# Altium PCB Shuttler_AMC.PcbDoc (part 5 of 12) (continued)
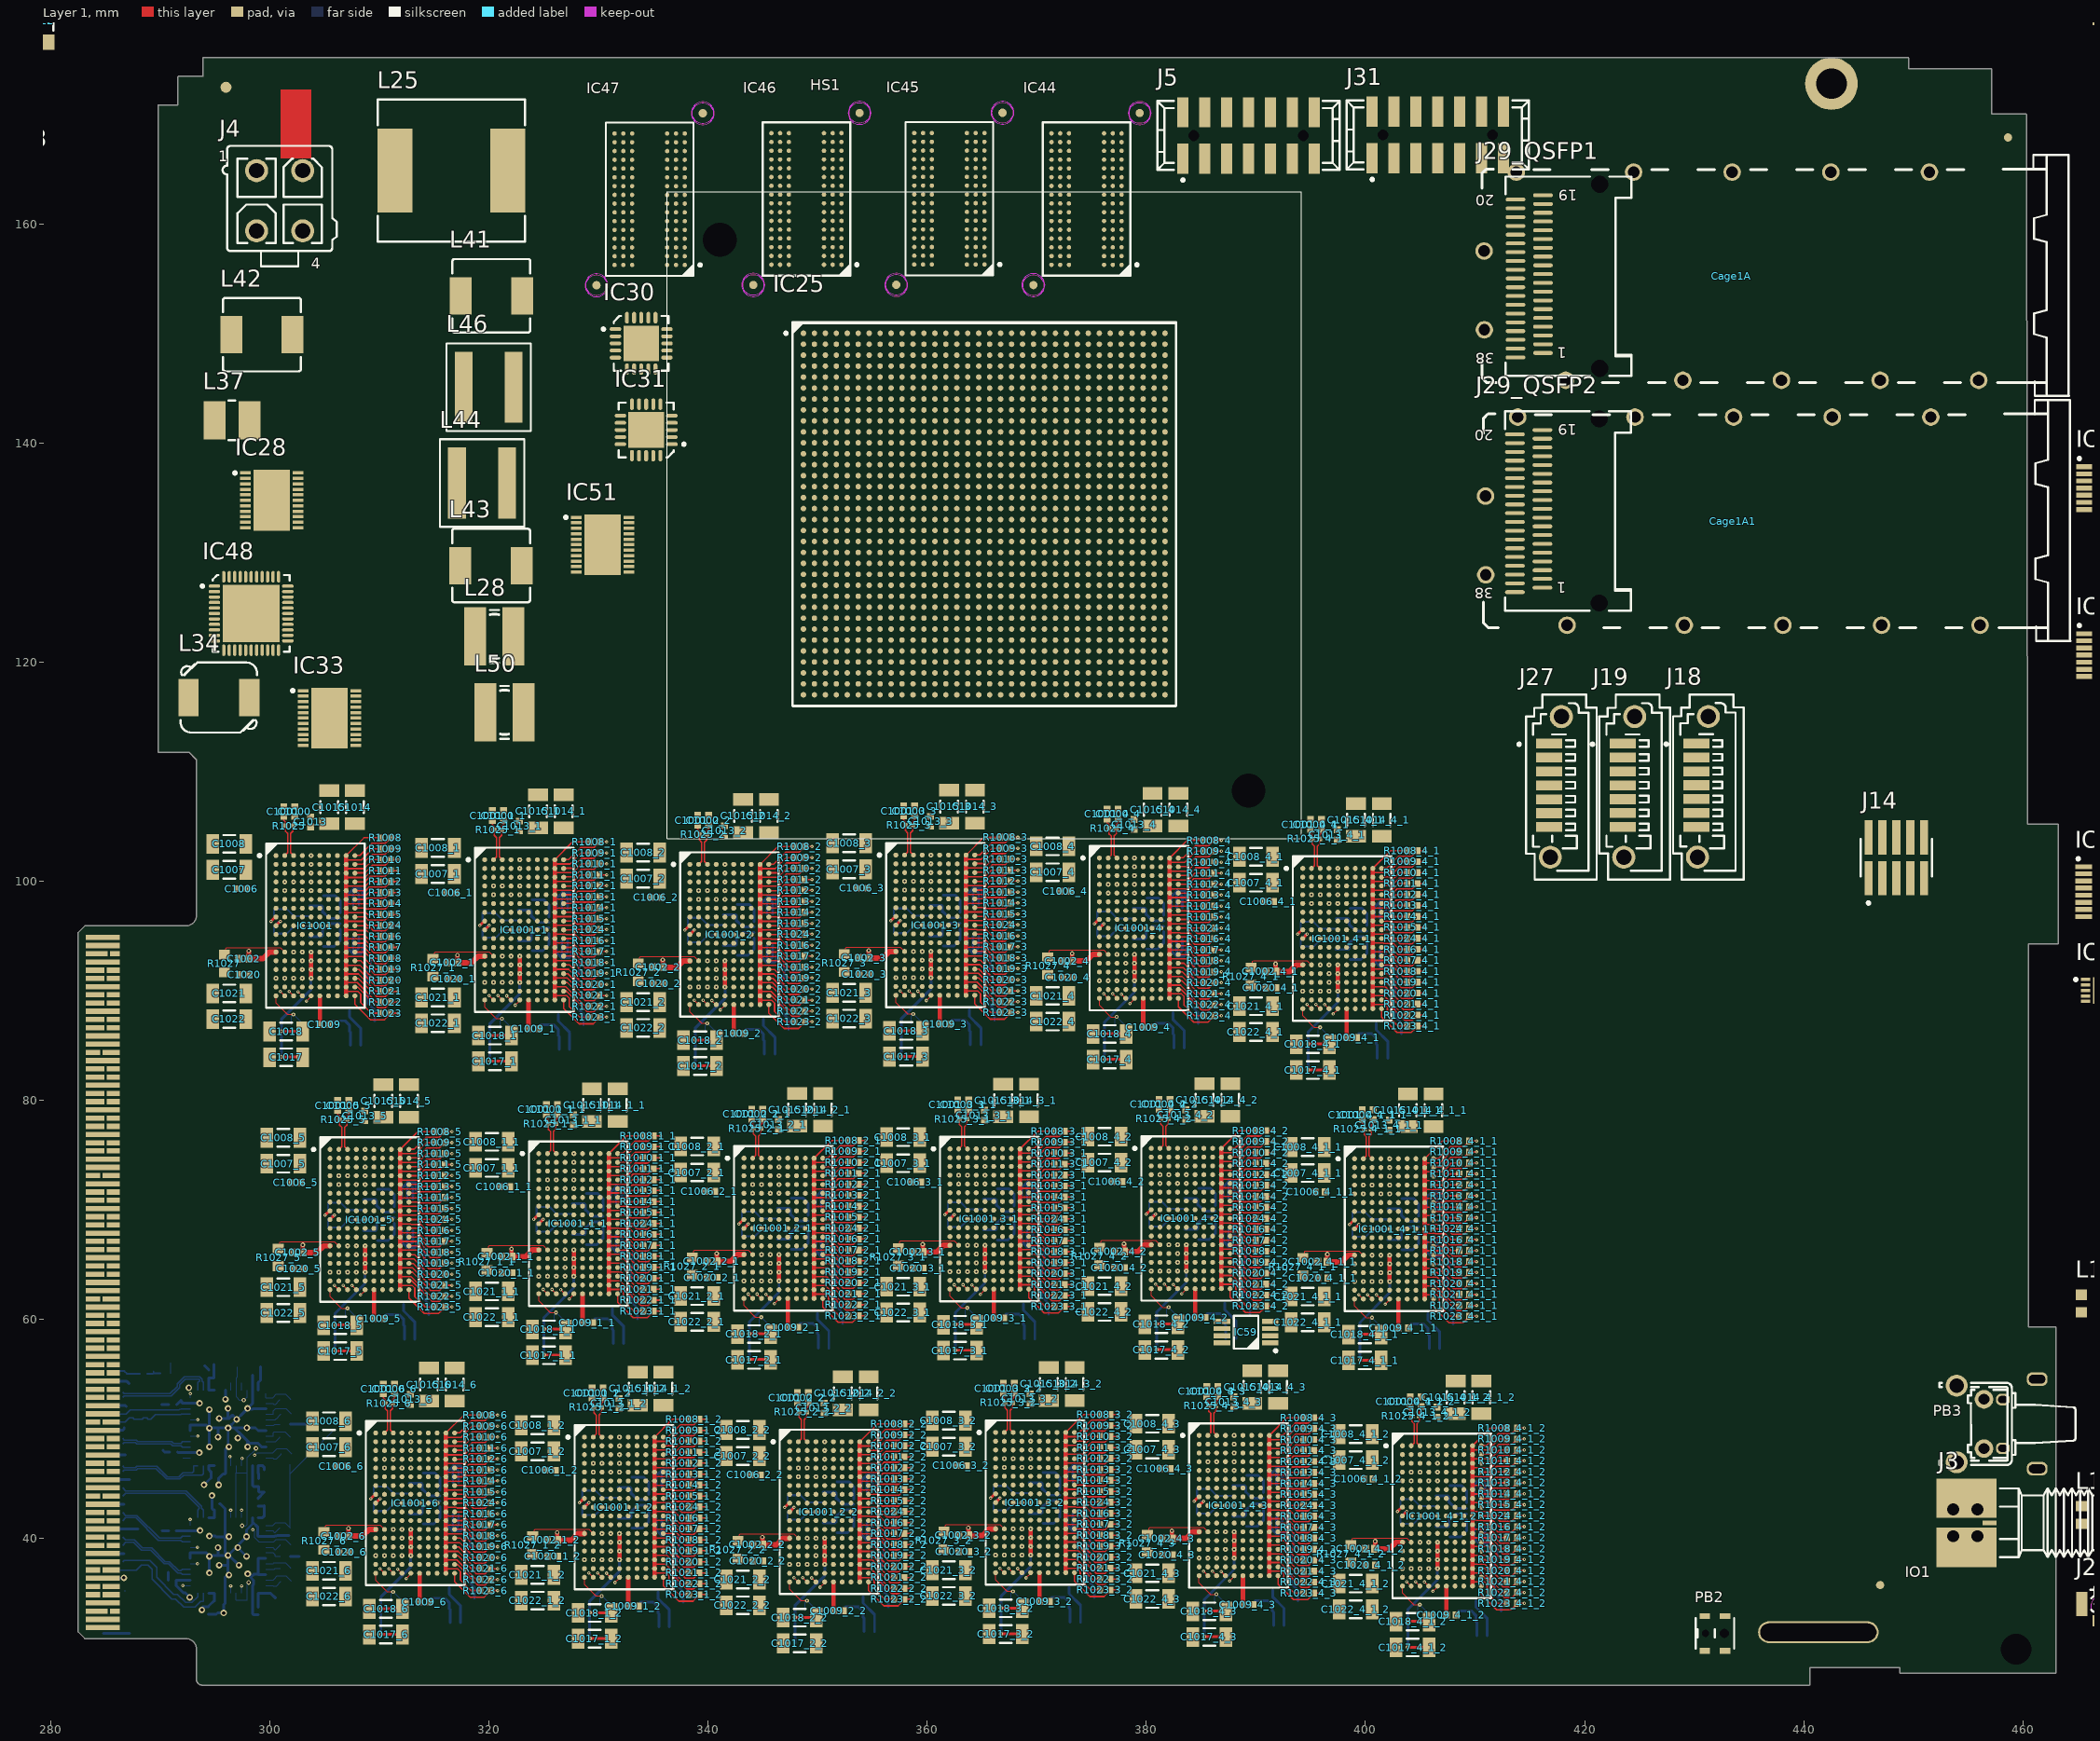
[diagram p0: Layer 1 view]
## Footprints (in the part's own frame and the unit in brackets; to place one, negate y for a bottom-side part, rotate by r counter-clockwise, add the part's x,y. Pads: shape width x height; smd on the part's side, far side on the other; paste and mask are expansions set on the pad) (continued)
  rect 5.2x5.2 smd: 45(0,0)
  silkscreen extent -4.57,-3.5 3.5,3.5, body extent -3.5,-3.5 3.5,3.5, height 0.8
QFN50P700X700X90-45N-S295 [mm] "QFN, 0.50mm Pitch, Square; 44 pin, 7.00mm L X 7.00mm W X 0.90mm H Body (w/Thermal Tab 2.95mm X 2.95mm), IPC Medium Density"
  oval 0.85x0.3 smd: 1(-3.45,2.5) 2(-3.45,2) 3(-3.45,1.5) 4(-3.45,1) 5(-3.45,0.5) 6(-3.45,0) 7(-3.45,-0.5) 8(-3.45,-1) 9(-3.45,-1.5) 10(-3.45,-2) 11(-3.45,-2.5) 23(3.45,-2.5) 24(3.45,-2) 25(3.45,-1.5) 26(3.45,-1) 27(3.45,-0.5) 28(3.45,0) 29(3.45,0.5) 30(3.45,1) 31(3.45,1.5) 32(3.45,2) 33(3.45,2.5)
  oval 0.3x0.85 smd: 12(-2.5,-3.45) 13(-2,-3.45) 14(-1.5,-3.45) 15(-1,-3.45) 16(-0.5,-3.45) 17(0,-3.45) 18(0.5,-3.45) 19(1,-3.45) 20(1.5,-3.45) 21(2,-3.45) 22(2.5,-3.45) 34(2.5,3.45) 35(2,3.45) 36(1.5,3.45) 37(1,3.45) 38(0.5,3.45) 39(0,3.45) 40(-0.5,3.45) 41(-1,3.45) 42(-1.5,3.45) 43(-2,3.45) 44(-2.5,3.45)
  rect 2.95x2.95 smd: 45(0,0)
  silkscreen extent -4.57,-3.5 3.5,3.5, body extent -3.5,-3.5 3.5,3.5, height 0.9
QFN50P700X700X100-49N-S420 [mm]
  oval 0.9x0.3 smd paste+0.025 mask+0.025: 1(-3.45,2.75) 2(-3.45,2.25) 3(-3.45,1.75) 4(-3.45,1.25) 5(-3.45,0.75) 6(-3.45,0.25) 7(-3.45,-0.25) 8(-3.45,-0.75) 9(-3.45,-1.25) 10(-3.45,-1.75) 11(-3.45,-2.25) 12(-3.45,-2.75) 25(3.45,-2.75) 26(3.45,-2.25) 27(3.45,-1.75) 28(3.45,-1.25) 29(3.45,-0.75) 30(3.45,-0.25) 31(3.45,0.25) 32(3.45,0.75) 33(3.45,1.25) 34(3.45,1.75) 35(3.45,2.25) 36(3.45,2.75)
  oval 0.3x0.9 smd paste+0.025 mask+0.025: 13(-2.75,-3.45) 14(-2.25,-3.45) 15(-1.75,-3.45) 16(-1.25,-3.45) 17(-0.75,-3.45) 18(-0.25,-3.45) 19(0.25,-3.45) 20(0.75,-3.45) 21(1.25,-3.45) 22(1.75,-3.45) 23(2.25,-3.45) 24(2.75,-3.45) 37(2.75,3.45) 38(2.25,3.45) 39(1.75,3.45) 40(1.25,3.45) 41(0.75,3.45) 42(0.25,3.45) 43(-0.25,3.45) 44(-0.75,3.45) 45(-1.25,3.45) 46(-1.75,3.45) 47(-2.25,3.45) 48(-2.75,3.45)
  rect 4.2x4.2 smd paste+0.025 mask+0.025: 49(0,0)
  silkscreen extent -4.63,-3.5 3.5,3.5
QFN50P800X800X100-57N-S437 [mm] "QFN, 0.50mm Pitch, Square; 56 Pin, 8.00mm L X 8.00mm W X 1.00mm H Body (4.37mm X 4.37mm Thermal Tab), IPC Medium Density"
  oval 0.9x0.3 smd: 1(-3.95,3.25) 2(-3.95,2.75) 3(-3.95,2.25) 4(-3.95,1.75) 5(-3.95,1.25) 6(-3.95,0.75) 7(-3.95,0.25) 8(-3.95,-0.25) 9(-3.95,-0.75) 10(-3.95,-1.25) 11(-3.95,-1.75) 12(-3.95,-2.25) 13(-3.95,-2.75) 14(-3.95,-3.25) 29(3.95,-3.25) 30(3.95,-2.75) 31(3.95,-2.25) 32(3.95,-1.75) 33(3.95,-1.25) 34(3.95,-0.75) 35(3.95,-0.25) 36(3.95,0.25) 37(3.95,0.75) 38(3.95,1.25) 39(3.95,1.75) 40(3.95,2.25) 41(3.95,2.75) 42(3.95,3.25)
  oval 0.3x0.9 smd: 15(-3.25,-3.95) 16(-2.75,-3.95) 17(-2.25,-3.95) 18(-1.75,-3.95) 19(-1.25,-3.95) 20(-0.75,-3.95) 21(-0.25,-3.95) 22(0.25,-3.95) 23(0.75,-3.95) 24(1.25,-3.95) 25(1.75,-3.95) 26(2.25,-3.95) 27(2.75,-3.95) 28(3.25,-3.95) 43(3.25,3.95) 44(2.75,3.95) 45(2.25,3.95) 46(1.75,3.95) 47(1.25,3.95) 48(0.75,3.95) 49(0.25,3.95) 50(-0.25,3.95) 51(-0.75,3.95) 52(-1.25,3.95) 53(-1.75,3.95) 54(-2.25,3.95) 55(-2.75,3.95) 56(-3.25,3.95)
  rect 4.37x4.37 smd: 57(0,0)
  silkscreen extent -5.12,-4 4,4, body extent -4,-4 4,4, height 0.8
QFN50P800X800X100-57N-S620 [mm] "QFN, 0.50mm Pitch, Square; 56 Pin, 8.00mm L X 8.00mm W X 1.00mm H body (6.1mm X 6.1mm Thermal tab), IPC Medium Density"
  oval 0.85x0.3 smd: 1(-3.95,3.25) 2(-3.95,2.75) 3(-3.95,2.25) 4(-3.95,1.75) 5(-3.95,1.25) 6(-3.95,0.75) 7(-3.95,0.25) 8(-3.95,-0.25) 9(-3.95,-0.75) 10(-3.95,-1.25) 11(-3.95,-1.75) 12(-3.95,-2.25) 13(-3.95,-2.75) 14(-3.95,-3.25) 29(3.95,-3.25) 30(3.95,-2.75) 31(3.95,-2.25) 32(3.95,-1.75) 33(3.95,-1.25) 34(3.95,-0.75) 35(3.95,-0.25) 36(3.95,0.25) 37(3.95,0.75) 38(3.95,1.25) 39(3.95,1.75) 40(3.95,2.25) 41(3.95,2.75) 42(3.95,3.25)
  oval 0.3x0.85 smd: 15(-3.25,-3.95) 16(-2.75,-3.95) 17(-2.25,-3.95) 18(-1.75,-3.95) 19(-1.25,-3.95) 20(-0.75,-3.95) 21(-0.25,-3.95) 22(0.25,-3.95) 23(0.75,-3.95) 24(1.25,-3.95) 25(1.75,-3.95) 26(2.25,-3.95) 27(2.75,-3.95) 28(3.25,-3.95) 43(3.25,3.95) 44(2.75,3.95) 45(2.25,3.95) 46(1.75,3.95) 47(1.25,3.95) 48(0.75,3.95) 49(0.25,3.95) 50(-0.25,3.95) 51(-0.75,3.95) 52(-1.25,3.95) 53(-1.75,3.95) 54(-2.25,3.95) 55(-2.75,3.95) 56(-3.25,3.95)
  rect 6.2x6.2 smd: 57(0,0)
  silkscreen extent -5.08,-4 4,4, body extent -4,-4 4,4, height 1
QFN65P500X500X100-21N-S325 [mm] "QFN, 0.65mm pitch,square; 20 pin, 5mm X 5mm X 1mm H body (w/thermal tab 3.25 X 3.25mm),  IPC Medium Density"
  oval 1.05x0.35 smd: 1(-2.35,1.3) 2(-2.35,0.65) 3(-2.35,0) 4(-2.35,-0.65) 5(-2.35,-1.3) 11(2.35,-1.3) 12(2.35,-0.65) 13(2.35,0) 14(2.35,0.65) 15(2.35,1.3)
  oval 0.35x1.05 smd: 6(-1.3,-2.35) 7(-0.65,-2.35) 8(0,-2.35) 9(0.65,-2.35) 10(1.3,-2.35) 16(1.3,2.35) 17(0.65,2.35) 18(0,2.35) 19(-0.65,2.35) 20(-1.3,2.35)
  rect 3.25x3.25 smd: 21(0,0)
  silkscreen extent -3.57,-2.5 2.5,2.5, body extent -2.57,-2.57 2.58,2.58, height 1
RESC0603X28N [mm] "Chip Resistor, EIA 0201, Metric 0603, Body 0.6 x 0.3mm, IPC Medium Density"
  rect 0.46x0.42 smd: 1(-0.33,0) 2(0.33,0)
  body extent -0.32,-0.17 0.33,0.18, height 0.28
RESC1005X35N [mm] "Chip Resistor, EIA 0402, Metric 1005, Body 1.0x0.5mm, IPC Medium Density"
  rect 0.58x0.62 smd: 1(-0.47,0) 2(0.47,0)
  body extent -0.52,-0.27 0.53,0.28, height 0.35
RESC1005X40N#1 [mm]
  rect 0.58x0.62 smd paste+0 mask+0.01: 1(-0.47,0) 2(0.47,0)
RESC1005X40N#2 [mm] "Chip Resistor, EIA 0402, Metric 1005, Body 1.0x0.5mm, IPC Medium Density"
  rect 0.58x0.62 smd: 1(-0.47,0) 2(0.47,0)
  body extent -0.52,-0.27 0.53,0.28, height 0.4
RESC1608X55N [mm] "Chip Resistor, EIA 0603, Metric 1608, Body 1.6x0.8mm, IPC Medium Density"
  rect 0.9x1 smd: 1(-0.8,0) 2(0.8,0)
  body extent -0.87,-0.47 0.88,0.48, height 0.55
SAMTEC_FTS-105-02-F-DV [mm] "10 Contacts - Pitch 1.27mm - Dual Row, Vertical, Surface Mount Terminal Strip"
  rect 0.74x3.125 smd: 1(-2.54,-1.868) 2(-2.54,1.868) 3(-1.27,-1.868) 4(-1.27,1.868) 5(0,-1.868) 6(0,1.868) 7(1.27,-1.868) 8(1.27,1.868) 9(2.54,-1.868) 10(2.54,1.868)
  silkscreen extent -3.26,-4.25 3.26,1.71, body extent -3.17,-2.92 3.18,2.92, height 3.17
SOIC127P600X175-8N [mm] "SOIC 8, Pitch 1.27mm - Body 4x5mm, IPC Medium Density"
  rect 1.55x0.6 smd: 1(-2.7,1.905) 2(-2.7,0.635) 3(-2.7,-0.635) 4(-2.7,-1.905) 5(2.7,-1.905) 6(2.7,-0.635) 7(2.7,0.635) 8(2.7,1.905)
  silkscreen extent -2.52,-2.5 1.55,2.88, body extent -3.1,-2.5 3.1,2.5, height 1.75
SOIC127P1032X265-16N [mm] "SOIC, 1.27mm pitch; 16 pin, 7.50mm W X 10.4mm L X 2.65mm H body, IPC Medium Density"
  rect 2x0.6 smd: 1(-4.65,4.445) 2(-4.65,3.175) 3(-4.65,1.905) 4(-4.65,0.635) 5(-4.65,-0.635) 6(-4.65,-1.905) 7(-4.65,-3.175) 8(-4.65,-4.445) 9(4.65,-4.445) 10(4.65,-3.175) 11(4.65,-1.905) 12(4.65,-0.635) 13(4.65,0.635) 14(4.65,1.905) 15(4.65,3.175) 16(4.65,4.445)
  silkscreen extent -5.52,-5.15 3.32,5.37, body extent -5.18,-5.25 5.18,5.25, height 1.68
SON50P200X300X80-11N-R94X250 [mm] "SON, 10-Leads, Body 2x3mm, Pitch 0.5mm, Thermal Pad 0.94x2.5mm, IPC Medium Density"
  rect 0.7x0.3 smd: 1(-1.05,1) 2(-1.05,0.5) 3(-1.05,0) 4(-1.05,-0.5) 5(-1.05,-1) 6(1.05,-1) 7(1.05,-0.5) 8(1.05,0) 9(1.05,0.5) 10(1.05,1)
  rect 0.94x2.5 smd: 11(0,0)
  silkscreen extent -1.5,-1.55 1.05,1.6, body extent -1.05,-1.55 1.05,1.55, height 0.8
SON50P300X300X80-9N-R175X248 [mm] "SON, (DFN) 0.50mm,pitch; 8 pin,3.00mm W X 3.00mm L X 0.80mm H body (w/thermal tab 1.75 X2.48mm), IPC Medium Density"
  rect 0.8x0.3 smd: 1(-1.5,0.75) 2(-1.5,0.25) 3(-1.5,-0.25) 4(-1.5,-0.75) 5(1.5,-0.75) 6(1.5,-0.25) 7(1.5,0.25) 8(1.5,0.75)
  rect 1.75x2.45 smd: 9(0,0)
  silkscreen extent -2.52,-1.5 1.5,1.5, body extent -1.55,-1.55 1.55,1.55, height 0.8
SON50P300X300X80-11N-R175X248 [mm] "SON, 0.50mm Pitch, 10-pin, 3.00mm W  X 3.00mm L X 0.80mm Height, (w/thermal tab 1.75 X 2.48 mm), IPC Medium Density"
  rect 0.8x0.3 smd: 1(-1.5,1) 2(-1.5,0.5) 3(-1.5,0) 4(-1.5,-0.5) 5(-1.5,-1) 6(1.5,-1) 7(1.5,-0.5) 8(1.5,0) 9(1.5,0.5) 10(1.5,1)
  rect 1.75x2.48 smd: 11(0,0)
  silkscreen extent -2.52,0.88 -2.27,1.12, body extent -1.5,-1.5 1.5,1.5, height 0.8
SON50P400X400X80-13N-R275X350 [mm] "SON, 0.50mm Pitch; 14 Pin 4.00mm W X 4.00mm L X 0.80mm H body (w/thermal tab 2.75 X 3.5 mm), IPC Medium Density"
  rect 0.8x0.3 smd: 1(-2,1.25) 2(-2,0.75) 3(-2,0.25) 4(-2,-0.25) 5(-2,-0.75) 6(-2,-1.25) 7(2,-1.25) 8(2,-0.75) 9(2,-0.25) 10(2,0.25) 11(2,0.75) 12(2,1.25)
  rect 2.75x3.5 smd: 13(0,0)
  silkscreen extent -3.02,-2 2,2, body extent -2.05,-2.05 2.05,2.05, height 0.8
SON50P500X600X150-23N-R334X557 [mm] "SON, 0.50mm Pitch; 22 Pin, 5.00mm W X 6.00mm L X 1.50mm H Body (w/Thermal Tab 3.34 X 5.57mm), IPC Medium Density"
  rect 0.95x0.3 smd: 1(-2.4,2.5) 2(-2.4,2) 3(-2.4,1.5) 4(-2.4,1) 5(-2.4,0.5) 6(-2.4,0) 7(-2.4,-0.5) 8(-2.4,-1) 9(-2.4,-1.5) 10(-2.4,-2) 11(-2.4,-2.5) 12(2.4,-2.5) 13(2.4,-2) 14(2.4,-1.5) 15(2.4,-1) 16(2.4,-0.5) 17(2.4,0) 18(2.4,0.5) 19(2.4,1) 20(2.4,1.5) 21(2.4,2) 22(2.4,2.5)
  rect 3.3x5.55 smd: 23(0,0)
  silkscreen extent -3.47,2.38 -3.22,2.62, body extent -2.5,-3 2.5,3, height 1.5
SON95P300X300X80-7N-R160X240 [mm] "SON, 0.95mm Pitch; 6 Pin, 3.00mm W X 3mm L X 0.80mm H body (w/Thermal Tab 1.6mm x 2.4mm)"
  rect 0.75x0.45 smd: 1(-1.5,0.95) 2(-1.5,0) 3(-1.5,-0.95) 4(1.5,-0.95) 5(1.5,0) 6(1.5,0.95)
  rect 1.6x2.4 smd: 7(0,0)
  silkscreen extent -2.47,0.83 -2.22,1.07, body extent -1.55,-1.55 1.55,1.55, height 0.8
SOP65P490X109-8N [mm] "SOP, 0.65mm pitch; 8 pin,3.00mm W X 3.00mm L X 1.09mm H bodyI, PC Medium Density"
  rect 1.5x0.45 smd: 1(-2.2,0.975) 2(-2.2,0.325) 3(-2.2,-0.325) 4(-2.2,-0.975) 5(2.2,-0.975) 6(2.2,-0.325) 7(2.2,0.325) 8(2.2,0.975)
  silkscreen extent -2.82,-1.5 1.12,1.82, body extent -2.45,-1.55 2.45,1.55, height 1.09
SOP65P490X110-8N [mm] "SOP, 0.65mm pitch; 8 pin, 3.00mm W X 3.00mm L X 1.10mm H body, IPC Medium Density"
  rect 1.5x0.45 smd: 1(-2.2,0.975) 2(-2.2,0.325) 3(-2.2,-0.325) 4(-2.2,-0.975) 5(2.2,-0.975) 6(2.2,-0.325) 7(2.2,0.325) 8(2.2,0.975)
  silkscreen extent -2.83,-1.5 1.12,1.82, body extent -2.45,-1.55 2.45,1.55, height 1.1
SOP65P640X110-14N [mm] "SOP, 14-Leads, Body 4.4x5mm (max), Pitch 0.65mm, IPC Medium Density"
  rect 1.45x0.45 smd: 1(-2.9,1.95) 2(-2.9,1.3) 3(-2.9,0.65) 4(-2.9,0) 5(-2.9,-0.65) 6(-2.9,-1.3) 7(-2.9,-1.95) 8(2.9,-1.95) 9(2.9,-1.3) 10(2.9,-0.65) 11(2.9,0) 12(2.9,0.65) 13(2.9,1.3) 14(2.9,1.95)
  silkscreen extent -3.47,-2.5 1.85,2.82, body extent -3.12,-2.55 3.12,2.55, height 1.1
SOP65P640X110-16N [mm] "SOP, 0.65mm pitch; 16 pin, 4.40mm W X 5.00mm L X 1.10mm H body IPC Medium Density"
  rect 1.5x0.45 smd: 1(-2.95,2.275) 2(-2.95,1.625) 3(-2.95,0.975) 4(-2.95,0.325) 5(-2.95,-0.325) 6(-2.95,-0.975) 7(-2.95,-1.625) 8(-2.95,-2.275) 9(2.95,-2.275) 10(2.95,-1.625) 11(2.95,-0.975) 12(2.95,-0.325) 13(2.95,0.325) 14(2.95,0.975) 15(2.95,1.625) 16(2.95,2.275)
  silkscreen extent -3.57,-2.5 1.88,3.12, body extent -3.12,-2.55 3.12,2.55, height 1.1
SOP65P640X120-8N [mm] "SOP, 0.65mm pitch; 8 pin, 4.40mm W X 3.00mm L X 1.20mm H body, IPC Medium Density"
  rect 1.5x0.45 smd: 1(-2.9,0.975) 2(-2.9,0.325) 3(-2.9,-0.325) 4(-2.9,-0.975) 5(2.9,-0.975) 6(2.9,-0.325) 7(2.9,0.325) 8(2.9,0.975)
  silkscreen extent -3.52,-1.5 1.83,1.82, body extent -3.2,-1.55 3.2,1.55, height 1.2
SOP65P640X120-16N [mm] "SOP, 0.65mm pitch; 16 pin, 4.40mm W X 5.00mm L X 1.20mm H body IPC Medium Density"
  rect 1.45x0.45 smd: 1(-2.95,2.275) 2(-2.95,1.625) 3(-2.95,0.975) 4(-2.95,0.325) 5(-2.95,-0.325) 6(-2.95,-0.975) 7(-2.95,-1.625) 8(-2.95,-2.275) 9(2.95,-2.275) 10(2.95,-1.625) 11(2.95,-0.975) 12(2.95,-0.325) 13(2.95,0.325) 14(2.95,0.975) 15(2.95,1.625) 16(2.95,2.275)
  silkscreen extent -3.07,-2.55 1.85,3.17, body extent -3.12,-2.55 3.12,2.55, height 1.2
SOP65P640X120-20N [mm] "SOP, 20-Leads, Body 6.5x4.4mm, Pitch 0.65mm, IPC Medium Density"
  rect 1.5x0.45 smd: 1(-2.9,2.925) 2(-2.9,2.275) 3(-2.9,1.625) 4(-2.9,0.975) 5(-2.9,0.325) 6(-2.9,-0.325) 7(-2.9,-0.975) 8(-2.9,-1.625) 9(-2.9,-2.275) 10(-2.9,-2.925) 11(2.9,-2.925) 12(2.9,-2.275) 13(2.9,-1.625) 14(2.9,-0.975) 15(2.9,-0.325) 16(2.9,0.325) 17(2.9,0.975) 18(2.9,1.625) 19(2.9,2.275) 20(2.9,2.925)
  silkscreen extent -3.52,-3.25 1.83,3.77, body extent -3.12,-3.3 3.12,3.3, height 1.2
SOT95P230X110-3N [mm] "SOT23, 3 pin, Pitch 0.95mm - 1.3mm W X 2.9mm L X 1.1mm H, IPC Medium Density"
  rect 1x0.6 smd: 1(-1.15,0.95) 2(-1.15,-0.95) 3(1.15,0)
  silkscreen extent -1.52,-1.45 0.33,1.87, body extent -1.08,-1.5 1.25,1.5, height 1.1
SOT95P240X110-3N [mm] "SOT23 3-Leads, Pitch 0.95mm, Body 1.3x2.9mm, IPC Medium Density"
  rect 1.05x0.65 smd: 1(-1.15,0.95) 2(-1.15,-0.95) 3(1.15,0)
  silkscreen extent -1.52,-1.45 0.3,1.92, body extent -1.25,-1.5 1.25,1.5, height 1.1
SOT95P280X145-5N [mm] "SOT, 0.95mm pitch; 5 pin, 1.60mm W X 2.90mm L X 1.45mm H body, IPC Medium Density"
  rect 1.1x0.6 smd: 1(-1.3,0.95) 2(-1.3,0) 3(-1.3,-0.95) 4(1.3,-0.95) 5(1.3,0.95)
  silkscreen extent -1.72,-1.45 0.43,1.87, body extent -1.4,-1.5 1.4,1.5, height 1.45
SOT95P280X145-6N [mm] "SOT23, 6-Leads, Body 1.6x3.0mm, Pitch 0.95mm, IPC Medium Density"
  rect 1.05x0.6 smd: 1(-1.35,0.95) 2(-1.35,0) 3(-1.35,-0.95) 4(1.35,-0.95) 5(1.35,0) 6(1.35,0.95)
  silkscreen extent -1.77,-1.55 0.45,1.92, body extent -1.4,-1.5 1.4,1.5, height 1.45
SOT190P230X110-4N [mm] "SOT143, SOT, 1.90mm Pitch; 4 Pin, 1.30mm W X 2.90mm L X 1.10mm H body, IPC Medium Density"
  rect 1x1 smd: 1(-1.15,0.75)
  rect 1x0.6 smd: 2(-1.15,-0.95) 3(1.15,-0.95) 4(1.15,0.95)
  silkscreen extent -1.53,-1.45 0.33,1.87, body extent -1.25,-1.5 1.25,1.5, height 1.1
SW_C&K_HDT0001 [mm] "Micro Mini Surface Mount Detect Switches, HDT Serie"
  rect 0.95x0.55 smd: 1(-0.925,1.575) 2(0.925,1.575) 3(-0.925,-1.575) 4(0.925,-1.575)
  round 0.5 hole 0.85 unplated mask+0.175: 5(-0.85,0)
  round 0.5 hole 0.65 unplated mask+0.075: 10(0.85,0)
  silkscreen extent -1.75,-1.4 1.75,1.4, body extent -1.75,-1.65 1.75,1.65, height 3.35
"TEXAS_DRC (S-PVSON-N10)" [mm] "SON, TEXAS DRC (S-PVSON-N10), 0.50mm Pitch, 10-pin, 3.00mm W  X 3.00mm L X 1.00mm Height, (w/thermal tab 1.65 X 2.40 mm)"
  rect 0.85x0.3 smd: 1(-1.5,1) 2(-1.5,0.5) 3(-1.5,0) 4(-1.5,-0.5) 5(-1.5,-1) 6(1.5,-1) 7(1.5,-0.5) 8(1.5,0) 9(1.5,0.5) 10(1.5,1)
  rect 0.28x0.7 smd: 11(-0.25,-1.55) 11(-0.25,1.55) 11(0.25,-1.55) 11(0.25,1.55)
  rect 1.65x2.4 smd: 11(0,0)
  silkscreen extent -2.52,0.88 -2.27,1.12, body extent -1.57,-1.57 1.58,1.58, height 1
"TEXAS_RUT (R-PUQFN-N12)" [mm] "SON, TEXAS RUT (R-PUQFN-N12), 0.50mm Pitch, 12-pin, 1.70mm W  X 2.00mm L X 0.55mm Height"
  rect 0.6x0.2 smd: 1(-0.65,0.8) 2(-0.65,0.4) 3(-0.65,0) 4(-0.65,-0.4) 5(-0.65,-0.8) 7(0.65,-0.8) 8(0.65,-0.4) 9(0.65,0) 10(0.65,0.4) 11(0.65,0.8)
  rect 0.15x0.2 smd: 1(-0.425,1)
  rect 0.2x0.6 smd: 6(0,-0.8) 12(0,0.8)
  silkscreen extent -1.55,0.65 -1.3,0.9, body extent -0.9,-1.05 0.9,1.05, height 0.55
TYCO_1888781-1 [mm] "SFP+ 1x4 Press Fit Cage"
  round 1.6 hole 1.05: 6(-22.59,9.5) 7(-13.59,9.5) 8(-4.59,9.5) 9(4.41,9.5) 10(15.11,9.5) 11(22.53,4.902) 12(22.555,-2.286) 13(-18.09,-9.5) 14(-9.09,-9.5) 15(-0.09,-9.5) 16(8.91,-9.5) 17(19.61,-9.5)
  silkscreen extent -30.85,-11.05 22.73,10.92, body extent -30.8,-11.05 22.7,10.95, height 12.15
TYCO_2110819-1 [mm] "Surface Mount Enhanced EVERCLEAR Right Angle QSFP+ Host Connector"
  rrect100% 1.8x0.35 smd: 1(-1.255,7) 2(-1.255,6.2) 3(-1.255,5.4) 4(-1.255,4.6) 5(-1.255,3.8) 6(-1.255,3) 7(-1.255,2.2) 8(-1.255,1.4) 9(-1.255,0.6) 10(-1.255,-0.2) 11(-1.255,-1) 12(-1.255,-1.8) 13(-1.255,-2.6) 14(-1.255,-3.4) 15(-1.255,-4.2) 16(-1.255,-5) 17(-1.255,-5.8) 18(-1.255,-6.6) 19(-1.255,-7.4) 20(1.255,-7) 21(1.255,-6.2) 22(1.255,-5.4) 23(1.255,-4.6) 24(1.255,-3.8) 25(1.255,-3) 26(1.255,-2.2) 27(1.255,-1.4) 28(1.255,-0.6) 29(1.255,0.2) 30(1.255,1) 31(1.255,1.8) 32(1.255,2.6) 33(1.255,3.4) 34(1.255,4.2) 35(1.255,5) 36(1.255,5.8) 37(1.255,6.6) 38(1.255,7.4)
  round 0.5 hole 1.55 unplated mask+0.525: MTG1(-6.435,8.4) MTG2(-6.435,-8.4)
  silkscreen extent -9.34,-9.1 2.16,9.1, body extent -9.33,-9.11 2.17,9.11, height 5.37
XTAL_CONNOR_CS [mm] "4 Pins, 2.5x3.2mm, SMD Sealing Crystal, CS Serie"
  rect 1.2x1.4 smd: 1(-0.85,1.1) 2(-0.85,-1.1) 3(0.85,-1.1) 4(0.85,1.1)
  silkscreen extent -2.12,1.08 -1.88,1.32, body extent -1.25,-1.6 1.25,1.6, height 0.8
XTAL_TXC_7A [mm] "2 Pins, 3.2x5mm, SMD Glass Seam Sealing Crystal, 7A Serie"
  rect 1.7x2.4 smd: 1(-1.85,0) 2(1.85,0)
  silkscreen extent -2.3,-1.6 2.3,1.6, body extent -2.5,-1.6 2.5,1.6, height 1.2
XTAL_TXC_7M [mm] "4 Pins, 2.5x3.2mm, SMD Sealing Crystal, 7M Serie"
  rect 1.2x1.4 smd: 1(-0.85,1.1) 2(-0.85,-1.1) 3(0.85,-1.1) 4(0.85,1.1)
  silkscreen extent -2.12,1.08 -1.88,1.32, body extent -1.25,-1.6 1.25,1.6, height 0.8
XTAL_TXC_8Y [mm] "4 Pins, 2x1.6mm, SMD Seam Sealing Crystal, 8Y Serie"
  rect 0.8x0.9 smd: 1(-0.55,0.7) 2(-0.55,-0.7) 3(0.55,-0.7) 4(0.55,0.7)
  silkscreen extent -1.6,0.63 -1.35,0.87, body extent -0.85,-1.05 0.85,1.05, height 0.5

## Part data
C27 C28 C29 C30 C31 C32 C33 C34 C35 C36 C37 C38 C231: "Part Number = Capacitor - non polarized CAPC0603X33N"
C1000 C1000_1 C1000_1_1 C1000_1_2 C1000_2 C1000_2_1 C1000_2_2 C1000_3 C1000_3_1 C1000_3_2 C1000_4 C1000_4_1 C1000_4_1_1 C1000_4_1_2 C1000_4_2 C1000_4_3 C1000_5 C1000_6 C1001 C1001_1 C1001_1_1 C1001_1_2 C1001_2 C1001_2_1 C1001_2_2 C1001_3 C1001_3_1 C1001_3_2 C1001_4 C1001_4_1 C1001_4_1_1 C1001_4_1_2 C1001_4_2 C1001_4_3 C1001_5 C1001_6: library part CC0402_100PF_25V_1%_C0G_KEMET_HiQ-CBR, "Non-polarised capacitor", Case=0402, Manufacturer=KEMET, Manufacturer Part Number=CBR04C101F3GAC, Tolerance=±1%, Voltage=25V, Author="CERN DEM BC", ComponentHeight=0.55mm, Component Type=Standard, CreateDate=17.11.2017, HelpURL=\\cern.ch\dfs\Applications\Altium\Datasheets\CC0402_C0G_KEMET_HiQ-CBR.pdf, LatestRevisionDate=21.11.2017, Mounted=Yes, Part Description="High Q and low ESR, SMD Multilayer Chip Ceramic Capacitor, HiQ-CBR Series", Part Number=CC0402_100PF_25V_1%_C0G_KEMET_HiQ-CBR, Pin Count=2, Sense=No, SMD=Yes, Socket=No, Status="Not Recommended", TC=C0G/NP0
C1002 C1002_1 C1002_1_1 C1002_1_2 C1002_2 C1002_2_1 C1002_2_2 C1002_3 C1002_3_1 C1002_3_2 C1002_4 C1002_4_1 C1002_4_1_1 C1002_4_1_2 C1002_4_2 C1002_4_3 C1002_5 C1002_6: library part CC0402_10UF_6.3V_20%_X5R, "Non-polarised capacitor", Case=0402, Manufacturer=GENERIC, Manufacturer1 ComponentHeight=0.70mm, Manufacturer1 Example=TDK, Manufacturer1 Part Number=C1005X5R0J106M050BC, Tolerance=±10%, Voltage=6.3V, Author="CERN DEM JLC", Component Type=Standard, CreateDate=07.01.2015, HelpURL=\\cern.ch\dfs\Applications\Altium\Datasheets\CC0402_X5R_TDK_C.pdf, LatestRevisionDate=07.01.2015, Manufacturer Part Number=CC0402_10UF_6.3V_20%_X5R, Mounted=Yes, Part Description="SMD Multilayer Chip Ceramic Capacitor", Part Number=CC0402_10UF_6.3V_20%_X5R, Pin Count=2, Sense=No, SMD=Yes, Socket=No, Status=Preferred, TC=X5R
C1004 C1004_1 C1004_1_1 C1004_1_2 C1004_2 C1004_2_1 C1004_2_2 C1004_3 C1004_3_1 C1004_3_2 C1004_4 C1004_4_1 C1004_4_1_1 C1004_4_1_2 C1004_4_2 C1004_4_3 C1004_5 C1004_6 C1005 C1005_1 C1005_1_1 C1005_1_2 C1005_2 C1005_2_1 C1005_2_2 C1005_3 C1005_3_1 C1005_3_2 C1005_4 C1005_4_1 C1005_4_1_1 C1005_4_1_2 C1005_4_2 C1005_4_3 C1005_5 C1005_6 C1006 C1006_1 C1006_1_1 C1006_1_2 C1006_2 C1006_2_1 C1006_2_2 C1006_3 C1006_3_1 C1006_3_2 C1006_4 C1006_4_1 C1006_4_1_1 C1006_4_1_2 C1006_4_2 C1006_4_3 C1006_5 C1006_6 C1009 C1009_1 C1009_1_1 C1009_1_2 C1009_2 C1009_2_1 C1009_2_2 C1009_3 C1009_3_1 C1009_3_2 C1009_4 C1009_4_1 C1009_4_1_1 C1009_4_1_2 C1009_4_2 C1009_4_3 C1009_5 C1009_6 C1011 C1011_1 C1011_1_1 C1011_1_2 C1011_2 C1011_2_1 C1011_2_2 C1011_3 C1011_3_1 C1011_3_2 C1011_4 C1011_4_1 C1011_4_1_1 C1011_4_1_2 C1011_4_2 C1011_4_3 C1011_5 C1011_6 C1012 C1012_1 C1012_1_1 C1012_1_2 C1012_2 C1012_2_1 C1012_2_2 C1012_3 C1012_3_1 C1012_3_2 C1012_4 C1012_4_1 C1012_4_1_1 C1012_4_1_2 C1012_4_2 C1012_4_3 C1012_5 C1012_6 C1013 C1013_1 C1013_1_1 C1013_1_2 C1013_2 C1013_2_1 C1013_2_2 C1013_3 C1013_3_1 C1013_3_2 C1013_4 C1013_4_1 C1013_4_1_1 C1013_4_1_2 C1013_4_2 C1013_4_3 C1013_5 C1013_6 C1016 C1016_1 C1016_1_1 C1016_1_2 C1016_2 C1016_2_1 C1016_2_2 C1016_3 C1016_3_1 C1016_3_2 C1016_4 C1016_4_1 C1016_4_1_1 C1016_4_1_2 C1016_4_2 C1016_4_3 C1016_5 C1016_6 C1019 C1019_1 C1019_1_1 C1019_1_2 C1019_2 C1019_2_1 C1019_2_2 C1019_3 C1019_3_1 C1019_3_2 C1019_4 C1019_4_1 C1019_4_1_1 C1019_4_1_2 C1019_4_2 C1019_4_3 C1019_5 C1019_6 C1020 C1020_1 C1020_1_1 C1020_1_2 C1020_2 C1020_2_1 C1020_2_2 C1020_3 C1020_3_1 C1020_3_2 C1020_4 C1020_4_1 C1020_4_1_1 C1020_4_1_2 C1020_4_2 C1020_4_3 C1020_5 C1020_6: library part CC0402_2.2UF_6.3V_10%_X5R, "Non-polarised capacitor", Case=0402, Manufacturer=GENERIC, Manufacturer1 ComponentHeight=0.55mm, Manufacturer1 Example=TDK, Manufacturer1 Part Number=C1005X5R0J225K050BC, Tolerance=±10%, Voltage=6.3V, Author="CERN DEM JMW", Component Type=Standard, CreateDate=22.09.2015, HelpURL=\\cern.ch\dfs\Applications\Altium\Datasheets\CC0402_X5R_TDK_C.pdf, LatestRevisionDate=22.09.2015, Manufacturer Part Number=CC0402_2.2UF_6.3V_10%_X5R, Mounted=Yes, Part Description="SMD Multilayer Chip Ceramic Capacitor", Part Number=CC0402_2.2UF_6.3V_10%_X5R, Pin Count=2, Sense=No, SMD=Yes, Socket=No, Status=Preferred, TC=X5R
C1007 C1007_1 C1007_1_1 C1007_1_2 C1007_2 C1007_2_1 C1007_2_2 C1007_3 C1007_3_1 C1007_3_2 C1007_4 C1007_4_1 C1007_4_1_1 C1007_4_1_2 C1007_4_2 C1007_4_3 C1007_5 C1007_6 C1008 C1008_1 C1008_1_1 C1008_1_2 C1008_2 C1008_2_1 C1008_2_2 C1008_3 C1008_3_1 C1008_3_2 C1008_4 C1008_4_1 C1008_4_1_1 C1008_4_1_2 C1008_4_2 C1008_4_3 C1008_5 C1008_6 C1014 C1014_1 C1014_1_1 C1014_1_2 C1014_2 C1014_2_1 C1014_2_2 C1014_3 C1014_3_1 C1014_3_2 C1014_4 C1014_4_1 C1014_4_1_1 C1014_4_1_2 C1014_4_2 C1014_4_3 C1014_5 C1014_6 C1015 C1015_1 C1015_1_1 C1015_1_2 C1015_2 C1015_2_1 C1015_2_2 C1015_3 C1015_3_1 C1015_3_2 C1015_4 C1015_4_1 C1015_4_1_1 C1015_4_1_2 C1015_4_2 C1015_4_3 C1015_5 C1015_6 C1017 C1017_1 C1017_1_1 C1017_1_2 C1017_2 C1017_2_1 C1017_2_2 C1017_3 C1017_3_1 C1017_3_2 C1017_4 C1017_4_1 C1017_4_1_1 C1017_4_1_2 C1017_4_2 C1017_4_3 C1017_5 C1017_6 C1018 C1018_1 C1018_1_1 C1018_1_2 C1018_2 C1018_2_1 C1018_2_2 C1018_3 C1018_3_1 C1018_3_2 C1018_4 C1018_4_1 C1018_4_1_1 C1018_4_1_2 C1018_4_2 C1018_4_3 C1018_5 C1018_6 C1021 C1021_1 C1021_1_1 C1021_1_2 C1021_2 C1021_2_1 C1021_2_2 C1021_3 C1021_3_1 C1021_3_2 C1021_4 C1021_4_1 C1021_4_1_1 C1021_4_1_2 C1021_4_2 C1021_4_3 C1021_5 C1021_6 C1022 C1022_1 C1022_1_1 C1022_1_2 C1022_2 C1022_2_1 C1022_2_2 C1022_3 C1022_3_1 C1022_3_2 C1022_4 C1022_4_1 C1022_4_1_1 C1022_4_1_2 C1022_4_2 C1022_4_3 C1022_5 C1022_6: library part CC1206_100UF_6.3V_20%_X5R, "Non-polarised capacitor", Case=1206, Manufacturer=GENERIC, Manufacturer1 ComponentHeight=1.8mm, Manufacturer1 Example=KEMET, Manufacturer1 Part Number=C1206C107M9PACTU, Tolerance=±10%, Voltage=6.3V, Author="CERN DEM JLC", Component Type=Standard, CreateDate=26.09.2012, HelpURL=\\cern.ch\dfs\Applications\Altium\Datasheets\CC1206_X5R_KEMET.pdf, LatestRevisionDate=26.09.2012, Manufacturer Part Number=CC1206_100UF_6.3V_20%_X5R, Mounted=Yes, Part Description="SMD Multilayer Chip Ceramic Capacitor", Part Number=CC1206_100UF_6.3V_20%_X5R, Pin Count=2, Sense=No, SMD=Yes, Socket=No, Status=None, TC=X5R
Cage1A Cage1A1: "QSFP+ 1x3 Cage (23Pins)"
D1: "Ultra Low Capacitance Double Rail-to-Rail ESD Protection Diode", Case=SOT143B, Manufacturer="NXP SEMICONDUCTORS", Voltage=5.5V, Author="CERN DEM JLC", Bonding=No, ComponentHeight=1.1mm, Component Type=Standard, CreateDate=22.03.2011, Device=PRTR5V0U2X, HelpURL=\\cern.ch\dfs\Applications\Altium\Datasheets\PRTR5V0U2X.pdf, LatestRevisionDate=22.03.2011, Manufacturer Part Number=PRTR5V0U2X, Mounted=Yes, PackageDescription="SOT143B, SOT, 1.90mm Pitch; 4 Pin, 1.30mm W X 2.90mm L X 1.10mm H body, IPC Medium Density", Part Description="Ultra Low Capacitance (1pF) Double Rail-to-Rail ESD Protection Diode (8kV)", Part Number=PRTR5V0U2X, Pin Count=4, PressFit=No, Sense=No, SMD=Yes, Socket=No
HS1: "Part Number = HSINK_AAVID_342947"
IC1: "Quad High Speed USB to Multipurpose UART/MPSSE IC", Case=QFN56, Manufacturer="FUTURE TECHNOLOGY DEVICES INTERNATIONAL (FTDI)", Author="CERN DEM JLC", Bonding=No, ComponentHeight=1mm, Component Type=Standard, CreateDate=11.10.2016, Device=FT4232H-56Q, HelpURL=\\cern.ch\dfs\Applications\Altium\Datasheets\FT4232H-56Q.pdf, LatestRevisionDate=11.10.2016, Manufacturer Part Number=FT4232H-56Q, Mounted=Yes, PackageDescription="QFN, 0.50mm Pitch, Square; 56 Pin, 8.00mm L X 8.00mm W X 1.00mm H body (6.1mm X 6.1mm Thermal tab), IPC Medium Density", Part Description="Quad High Speed USB to Multipurpose UART/MPSSE IC", Part Number=FT4232H-56Q, Pin Count=57, PressFit=No, Sense=No, SMD=Yes, Socket=No